# Altium PCB 电流测试工装板.PcbDoc (part 2 of 2)
Units mil, origin at the board's own origin, x right, y up, seen from the top; angles counter-clockwise.
Board outline 3885 x 2755 mil, 2 copper layers (Top Layer, Bottom Layer); 111 components, 106 nets, 455 pads, 494 vias.
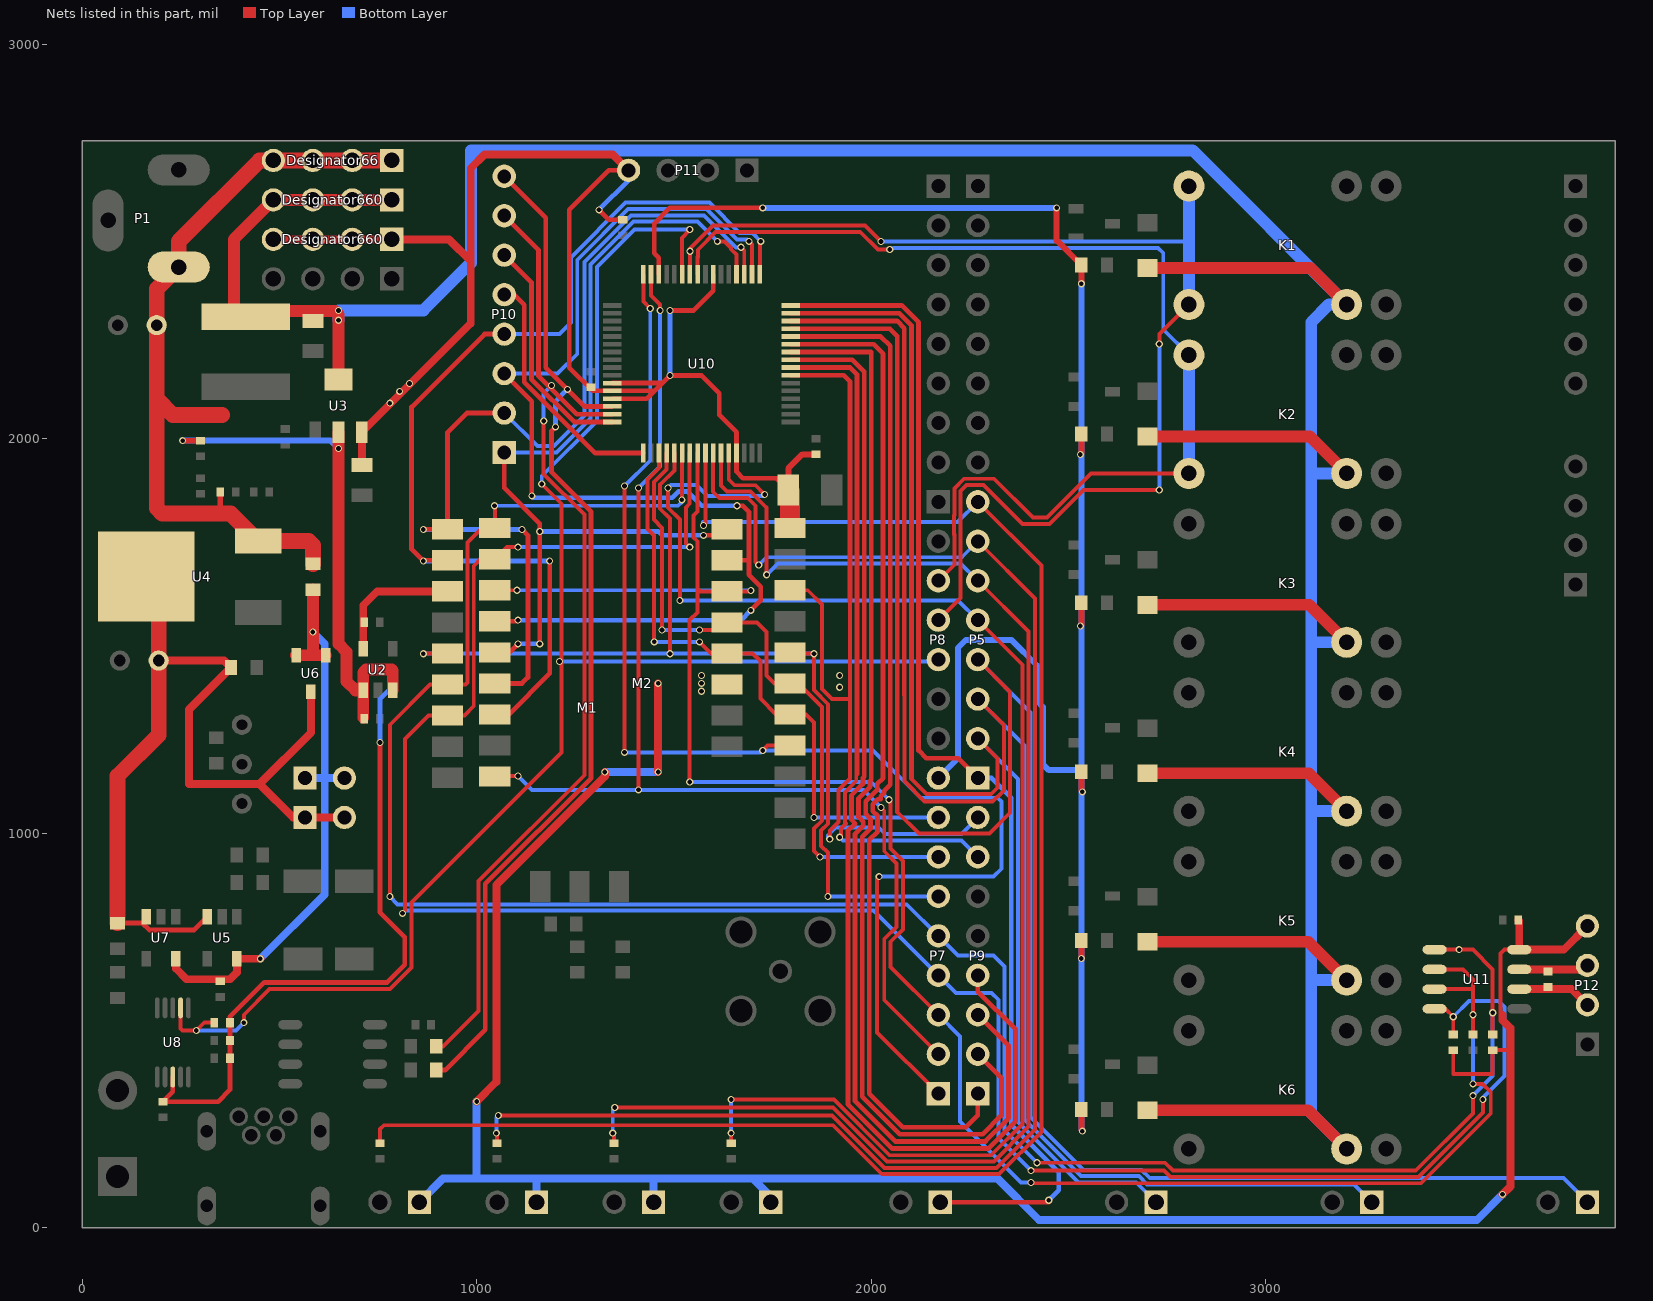
[diagram p2: the nets of this part, all layers, seen from the top]

## Via types
v1: diameter 18, hole 12, Top Layer to Bottom Layer, tented both sides, 494 vias

## Nets (pads, with @x,y where several pads share a name; then routed paths per layer and width w, separated by ;. In a path a pad name is that pad's centre, name@x,y a point inside that pad or via, vN(x,y) a via of type N, cw(c..) or ccw(c..) an arc to the next point about the centre after c; other vN are vias at no path point) (continued)
PC7: P8.8 R1.1 R6.1 R7.1 R12.1 R15.1 R16.1 U10.62 | length 4749.5
  Top Layer w12: U10.62@1461.73,2416.38 1461.73,2458.27 1450,2470 1450,2545 1490,2585 v1(1725,2585)
  Top Layer w15: v1(2470,2585) 2470,2502.52 R1.1@2532.52,2440 v1(2532.52,2392.52) ; v1(2530,1525) 2532.52,1527.52 R7.1@2532.52,1584 ; v1(2530,1960) 2532.52,1962.52 R6.1@2532.52,2012 ; R16.1@2532.52,300 2532.52,247.48 v1(2535,245) ; v1(2532.52,682.48) R15.1@2532.52,728 ; R12.1@2532.52,1156 2532.52,1107.48 v1(2535,1105)
  Bottom Layer w15: v1(1725,2585) v1(2470,2585) ; P8.8@2170,1140 2220,1190 2220,1470 2240,1490 2355,1490 2420,1425 2420,1335 2435,1320 2435,1175 2450,1160 2532.52,1160 ; v1(2532.52,2392.52) 2532.52,1160 ; v1(2535,245) 2532.52,247.48 v1(2532.52,682.48) 2532.52,1160
PD0: P5.8 R20.2 U10.25 | length 4386.9
  Top Layer w10: R20.2@755,214.68 755,250 765,260 1902.62,260 2026.62,136 2323.84,136 2431,243.16 2431,1679 P5.8@2270,1840 ; v1(1575,1780) 1579.84,1784.84 U10.25@1579.84,1963.62
  Bottom Layer w10: v1(1575,1780) 1575,1788 1574,1789 2219,1789 P5.8@2270,1840
PD1: P5.7 R21.2 U10.26 | length 4032.4
  Top Layer w10: v1(1050,240) 1051.67,238.33 R21.2@1051.67,214.68 ; v1(1055,285) 1900.25,285 2033.25,152 2317.21,152 2415,249.79 2415,1595 P5.7@2270,1740 ; U10.26@1599.53,1963.62 1599.53,1865.47 1615,1850 1687,1850 1707,1830 1707,1688 v1(1715,1680)
  Bottom Layer w10: v1(1050,240) 1050,280 v1(1055,285) ; v1(1715,1680) 1734.47,1699.47 2229.47,1699.47 P5.7@2270,1740
PD2: P5.6 R25.2 U10.27 | length 3632.6
  Top Layer w10: v1(1345,240) 1345.67,240.67 1348.33,240.67 R25.2@1348.33,214.68 ; v1(1350,305) 1902.88,305 2039.88,168 2310.58,168 2399,256.42 2399,1511 P5.6@2270,1640 ; U10.27@1619.21,1963.62 1619.21,1880.79 1634,1866 1694,1866 1735,1825 v1(1735,1655)
  Bottom Layer w10: v1(1345,240) 1345,300 v1(1350,305) ; v1(1735,1655) 1763.47,1683.47 2226.53,1683.47 P5.6@2270,1640
PD3: P5.5 R26.2 U10.28 | length 3779.9
  Top Layer w10: v1(1485,1875) 1485,1825 1515,1795 v1(1515,1590) ; U10.28@1638.9,1963.62 1638.9,1896.1 1653,1882 1706.28,1882 v1(1730,1858.28) ; R26.2@1645,214.68 1645,244 v1(1645,240) ; v1(1645,325) 1905.5,325 2046.5,184 2303.95,184 2383,263.05 2383,1427 P5.5@2270,1540
  Bottom Layer w10: v1(1485,1875) 1493,1883 1557,1883 1585,1855 1726.72,1855 v1(1730,1858.28) ; v1(1515,1590) 2220,1590 P5.5@2270,1540 ; v1(1645,240) v1(1645,325)
PD4: K7.1 P5.4 U10.45 | length 4950.5
  Top Layer w10: 2066,1054 2120.53,999.47 2299.47,999.47 2352,1052 2352,1358 P5.4@2270,1440
  Top Layer w12: U10.45@1796.38,2278.58 2047.42,2278.58 2066,2260 2066,1054
  Bottom Layer w10: P5.4@2270,1440 2404,1306 2404,281.25 2538.25,147 2684.92,147 2705.92,126 3754,126 K7.1@3815,65
PD5: K8.1 P5.3 U10.46 | length 4068.3
  Top Layer w10: 2084,1350 2084,1131.96 2135.43,1080.53 2307.77,1080.53 2336,1108.76 2336,1274 P5.3@2270,1340
  Top Layer w12: U10.46@1796.38,2298.27 2065.82,2298.27 2084,2280.09 2084,1350
  Bottom Layer w10: P5.3@2270,1340 2388,1222 2388,274.63 2531.63,131 2678.29,131 2699.29,110 3223.33,110 K8.1@3268.33,65
PD6: K9.1 P5.2 U10.47 | length 3301.6
  Top Layer w10: 2102,1138 2140.53,1099.47 2304.08,1099.47 2320,1115.39 2320,1190 P5.2@2270,1240
  Top Layer w12: U10.47@1796.38,2317.95 2071.59,2317.95 2102,2287.54 2102,1138
  Bottom Layer w10: P5.2@2270,1240 2372,1138 2372,268 2525,115 2671.67,115 K9.1@2721.67,65
PD7: K10.1 P5.1 U10.48 | length 3071
  Top Layer w12: U10.48@1796.38,2337.64 2077.36,2337.64 2120,2295 2120,1210 2140,1190 2220,1190 P5.1@2270,1140 ; K10.1@2175,65 2450,65 v1(2450,70)
  Bottom Layer w12: P5.1@2270,1140 2305,1140 2355,1090 2355,260.96 2475,140.96 2475,95 v1(2450,70)
PE0: M1.16 M2.14 P7.8 U10.19 | length 1598.7
  Top Layer w10: v1(1450,1485) 1450,1754.12 1433,1771.12 1433,1896.54 1461.73,1925.27 U10.19@1461.73,1963.62 ; v1(1565,1485) 1594.33,1455.67 M1.16@1635,1455.67 1699.33,1455.67 1719,1436 1719,1341 1759.05,1300.95 M2.14@1794.02,1300.95 1835,1300.95 1855,1280.95 v1(1855,1040)
  Bottom Layer w10: v1(1450,1485) v1(1565,1485) ; v1(1855,1040) P7.8@2170,1040
PE1: M1.17 M2.15 P7.7 U10.20 | length 1731.5
  Top Layer w10: v1(1470,1515) 1470,1773.75 1449,1794.75 1449,1889.91 1481.42,1922.33 U10.20@1481.42,1963.62 ; v1(1565,1515) 1615.59,1515 M1.17@1635,1534.41 1710.59,1534.41 1735,1510 1735,1400 1755.31,1379.69 M2.15@1794.02,1379.69 1815.31,1379.69 1875,1320 1875,1031.72 1855,1011.72 1855,955 v1(1870,940)
  Bottom Layer w10: v1(1470,1515) v1(1565,1515) ; v1(1870,940) P7.7@2170,940
PE2: M1.5 M2.16 P7.6 U10.21 | length 2572.4
  Top Layer w10: v1(865,1455) 865.67,1455.67 M1.5@926.34,1455.67 ; v1(1490,1455) 1490,1797.37 1465,1822.37 1465,1883.28 1501.1,1919.39 U10.21@1501.1,1963.62 ; M2.16@1794.02,1458.43 1797.44,1455 v1(1855,1455) 1855,1362.63 1891,1326.63 1891,1025.09 1872.96,1007.04 1872.96,968.04 1890,951 v1(1890,840)
  Bottom Layer w10: v1(865,1455) v1(1490,1455) v1(1855,1455) ; v1(1890,840) P7.6@2170,840
PE3: M1.6 M2.1 P7.5 R30.1 U10.22 U11.1 | length 5720.5
  Top Layer w10: v1(780,840) 780,1275 881.93,1376.93 M1.6@926.34,1376.93 971.93,1376.93 976.71,1381.71 976.71,1736.71 1013.39,1773.39 M2.1@1045.98,1773.39 1045.98,1829.02 v1(1045,1830) ; v1(1520,1845) 1520,1962.83 U10.22@1520.79,1963.62 ; v1(2420,165) 2745,165 2765,145 3380,145 3525,290 v1(3525,335) ; U11.1@3427.72,705 v1(3490,705) 3525,705 3575,655 v1(3575,545) R30.1@3575,489.68
  Bottom Layer w10: v1(780,840) 800,820 2090,820 P7.5@2170,740 2220,690 2310,690 2338,662 2338,247 v1(2420,165) ; v1(1045,1830) 1510,1830 1520,1840 v1(1520,1845) ; v1(3525,335) 3575,385 v1(3575,545)
PE4: M1.7 M2.2 P7.4 R32.1 U10.23 U11.4 | length 5658.4
  Top Layer w10: v1(812,797) 819,804 819,1239 878.19,1298.19 M1.7@926.34,1298.19 968.8,1298.19 992.71,1322.09 992.71,1677.71 1009.65,1694.65 M2.2@1045.98,1694.65 1076.34,1725 v1(1105,1725) ; v1(1540,1725) 1531,1734 1531,1826 1540,1835 U10.23@1540,1963.15 ; v1(2405,145) 2742.37,145 2758.37,129 3386.63,129 3550,292.37 v1(3550,325) ; U11.4@3427.72,555 3455,555 v1(3475,535) R32.1@3475,489.68
  Bottom Layer w10: v1(812,797) 819,804 2006,804 P7.4@2170,640 2215,595 2305,595 2322,578 2322,228 v1(2405,145) ; v1(1105,1725) v1(1540,1725) ; v1(3475,535) 3515,575 3590,575 3605,560 3605,385 3550,330 v1(3550,325)
PE5: M1.18 M2.3 P7.3 R31.2 U10.24 U11.2 U11.3 | length 5188.5
  Top Layer w10: M2.3@1045.98,1615.91 v1(1102.24,1615.91) ; v1(1540,1130) 1540,1540 1560,1560 1560,1620 ; U10.24@1560.16,1963.62 1560.16,1815.16 1550,1805 1550,1750 1560,1740 1560,1620 ; v1(1695,1615) 1693.15,1613.15 M1.18@1635,1613.15 1566.85,1613.15 1560,1620 ; v1(2045,1085) 2049,1081 2049,961 2080,930 2080,756 2049,725 2049,661 P7.3@2170,540 ; v1(2405,115) 2407,113 3393.25,113 3570,289.75 3570,343.81 3548.81,365 v1(3525,365) ; U11.3@3427.72,605 3525,605 ; U11.2@3427.72,655 3500,655 3525,630 3525,605 ; R31.2@3525,489.68 v1(3525,540) 3525,605
  Bottom Layer w10: v1(1102.24,1615.91) 1694.09,1615.91 v1(1695,1615) ; v1(1540,1130) 2000,1130 v1(2045,1085) ; P7.3@2170,540 2225,485 2225,270 2380,115 v1(2405,115) ; v1(3525,365) v1(3525,540)
PE6: M2.9 P7.2 U10.63 | length 3062.2
  Top Layer w10: M2.9@1045.98,1143.47 1047.52,1145 v1(1105,1145) ; v1(1410,1110) v1(1410,1875) ; U10.63@1442.05,2416.38 1442.05,2362.95 1465,2340 v1(1465,2325) ; v1(2025,1065) 2033,1057 2033,954.37 2064,923.37 2064,762.63 2033,731.63 2033,577 P7.2@2170,440
  Bottom Layer w10: v1(1105,1145) 1140,1110 v1(1410,1110) 1980,1110 v1(2025,1065) ; v1(1410,1875) 1465,1930 v1(1465,2325)
PE7: M2.13 P7.1 U10.64 | length 3433.1
  Top Layer w10: v1(1375,1205) v1(1375,1880) ; U10.64@1422.36,2416.38 1422.36,2347.64 v1(1440,2330) ; v1(1725,1210) 1737.21,1222.21 M2.13@1794.02,1222.21 ; v1@2015,890 2015,495 P7.1@2170,340
  Bottom Layer w10: v1(1375,1205) 1720,1205 v1(1725,1210) 2005,1210 2125,1090 2320,1090 2330,1080 2330,910 2310,890 v1(2020,890) ; v1(1375,1880) 1440,1945 v1(1440,2330)
PF0: M2.18 P9.8 U10.39 | length 2153.6
  Top Layer w10: M2.18@1794.02,1615.91 1839.09,1615.91 1875,1580 1875,1365.25 1900.25,1340 1946.02,1340 ; v1(1895,985) 1895,1006.46 1917,1028.46 1917,1109.73 1946.02,1138.75 1946.02,1340 ; 1946.02,1587.02 1946.02,1340
  Top Layer w12: U10.39@1796.38,2160.47 1930.54,2160.47 1946.02,2145 1946.02,1587.02
  Bottom Layer w10: v1(1895,985) 1890,990 1890,995 1910,1015 2019,1015 2035.47,998.53 2228.53,998.53 P9.8@2270,1040
PF1: P9.7 U10.40 | length 1737.3
  Top Layer w10: v1@1923,990 1923,1011.83 1935.53,1024.36 1933,1026.89 1933,1103.11 1962.02,1132.12 1962.02,1148.38 1964.02,1150.38
  Top Layer w12: U10.40@1796.38,2180.16 1946.4,2180.16 1964.02,2162.54 1964.02,1150.38
  Bottom Layer w10: v1(1920,990) 1928.47,981.53 2228.47,981.53 P9.7@2270,940
PF4: P9.4 U10.41 | length 2989.3
  Top Layer w12: U10.41@1796.38,2199.84 1952.17,2199.84 1982.02,2170 1982.02,1142.93 1979.02,1139.93 1979.02,1125.08 1950,1096.07 1950,1033.93 1959.57,1024.36 1941,1005.79 1941,313.54 2053.54,201 2296.91,201 2366,270.09 2366,502.73 2270,598.73 P9.4@2270,640
PF5: P9.3 U10.42 | length 2879.4
  Top Layer w12: U10.42@1796.38,2219.53 2000.02,2219.53 2000.02,1135.47 1997.02,1132.47 1997.02,1117.63 1968,1088.61 1968,1041.39 1980,1029.39 1980,1019.34 1959,998.34 1959,321 2061,219 2289.46,219 2348,277.54 2348,462 P9.3@2270,540
PF6: P9.2 U10.43 | length 2750.3
  Top Layer w12: U10.43@1796.38,2239.21 2005.79,2239.21 2030,2215 2030,1140 2015.02,1125.02 2015.02,1110.17 1986,1081.15 1986,1048.85 1998,1036.85 1998,1011.88 1977,990.88 1977,332.54 2072.54,237 2282,237 2330,285 2330,380 P9.2@2270,440
PF7: P9.1 U10.44 | length 2570.6
  Top Layer w12: U10.44@1796.38,2258.9 2024.1,2258.9 2048,2235 2048,1123 2033.02,1108.02 2033.02,1102.72 2024,1093.7 2024,1086 2016.3,1086 2004,1073.7 2004,1056.3 2016,1044.3 2016,1004.42 1995,983.42 1995,340 2080,255 2240,255 2270,285 P9.1@2270,340
PG2: P10.6 U10.16 | length 592.2
  Top Layer w12: P10.6@1070,2465 1139,2396 1139,2151 1247.64,2042.36 U10.16@1343.62,2042.36
PG3: P10.5 U10.17 | length 633.1
  Top Layer w12: P10.5@1070,2365 1095,2365 1121,2339 1121,2143.54 1300.92,1963.62 U10.17@1422.36,1963.62
RDY: P8.5 R17.1 U8.2 U10.59 | length 4141.9
  Top Layer w10: U8.2@249.69,557.6 249.69,505.31 255,500 v1(289.69,500) 309.69,520 R17.1@335.32,520 ; v1(410,520) 410,540 475,605 780,605 835,660 835,825 1215,1205 1215,1835 v1(1165,1885) ; U10.59@1520.79,2416.38 1520,2416.38 1520,2508.28 1540,2528.28 v1(1540,2530)
  Bottom Layer w10: v1(289.69,500) 390,500 v1(410,520) ; v1(1165,1885) 1165,1905 1305,2045 1305,2435 1400,2530 v1(1540,2530) ; v1(1210,1435) 2165,1435 P8.5@2170,1440
RS485_A: P12.2 R33.2 U11.6 | length 189.3
  Top Layer w20: U11.6@3642.28,605 3775,605 P12.2@3815,565
RS485_B: P12.3 R33.1 U11.7 | length 162.7
  Top Layer w20: U11.7@3642.28,655 P12.3@3805,655
SPI_CS: M1.2 M2.7 P10.4 U10.49 | length 2573.4
  Top Layer w10: U10.49@1717.64,2416.38 1717.64,2497.64 v1(1720,2500)
  Top Layer w12: M1.2@926.34,1691.89 866.89,1691.89 v1(865,1690) 835,1720 835,2080 1020,2265 P10.4@1070,2265 ; M2.7@1045.98,1300.95 1080.95,1300.95 1185,1405 v1(1185,1690)
  Bottom Layer w10: P10.4@1070,2265 1210,2265 1239,2294 1239,2459.51 1377.49,2598 1589.63,2598 1666.63,2521 1699,2521 v1(1720,2500)
  Bottom Layer w12: v1(865,1690) v1(1185,1690)
SPI_MISO: M1.20 M2.5 P10.1 U10.52 | length 2276.8
  Top Layer w10: v1(1610,2500) 1628.28,2500 1645,2483.28 1645,2480 1658.58,2466.42 U10.52@1658.58,2416.38
  Top Layer w12: M2.5@1045.98,1458.43 1083.43,1458.43 v1(1105,1480) ; P10.1@1070,1965 1070,1875 1160,1785 v1(1160,1765) v1(1160,1480) ; v1(1575,1755) 1604.37,1755 1620,1770.63 M1.20@1635,1770.63
  Bottom Layer w10: P10.1@1070,1965 1202.37,1965 1289,2051.63 1289,2441.63 1397.37,2550 1560,2550 v1(1610,2500)
  Bottom Layer w12: v1(1105,1480) v1(1160,1480) ; v1(1160,1765) 1460,1765 1470,1755 v1(1575,1755)
SPI_MOSI: M1.1 M2.6 P10.2 U10.51 | length 2403.9
  Top Layer w10: v1(1670,2485) 1678.27,2476.73 U10.51@1678.27,2416.38
  Top Layer w12: v1(865,1770) 865.63,1770.63 M1.1@926.34,1770.63 926.34,2016.34 975,2065 P10.2@1070,2065 ; M2.6@1045.98,1379.69 1114.69,1379.69 1130,1395 1130,1755 v1(1115,1770)
  Bottom Layer w10: P10.2@1070,2065 1154,1981 1195.75,1981 1273,2058.25 1273,2448.25 1390.75,2566 1576.37,2566 1657.37,2485 v1(1670,2485)
  Bottom Layer w12: v1(865,1770) v1(1115,1770)
SPI_SCK: M1.19 M2.4 P10.3 U10.50 | length 2960.1
  Top Layer w10: v1(1690,2500) 1697.95,2492.05 U10.50@1697.95,2416.38
  Top Layer w12: M2.4@1045.98,1537.17 1102.17,1537.17 v1(1105,1540) ; P10.3@1070,2165 1140,2095 v1(1140,1855) ; M1.19@1635,1691.89 1690,1691.89 ; v1(1660,1830) 1675,1830 1690,1815 1690,1691.89 ; v1(1695,1565) 1720,1590 1720,1625 1690,1655 1690,1691.89
  Bottom Layer w10: P10.3@1070,2165 1205,2165 1255,2215 1255,2452.88 1384.12,2582 1583,2582 1660,2505 1685,2505 v1(1690,2500)
  Bottom Layer w12: v1(1105,1540) 1670,1540 v1(1695,1565) ; v1(1140,1855) 1145,1850 1495.3,1850 1511.3,1866 1535,1866 1571,1830 v1(1660,1830)
USART1_RX: K2.1 P8.3 U10.57 | length 2815.5
  Top Layer w10: U10.57@1560.16,2416.38 1560.16,2460.16 1560.47,2460.47 1560.47,2478.76 1605.72,2524 1972.19,2524 2016.72,2479.47 v1(2047.06,2479.47) ; P8.3@2170,1640 2210.53,1680.53 2210.53,1756.79 2210,1757.31 2210,1805.39 2210.53,1805.92 2210.53,1874 2235,1898.47 2311.53,1898.47 2410,1800 2445,1800 2557,1912 K2.1@2805,1912
  Bottom Layer w10: v1(2047.06,2479.47) 2047.06,2481.41 2054.66,2481.41 2056.72,2483.47 2726.53,2483.47 2740,2470 2740,2277 K2.1@2805,2212
  Bottom Layer w30: K2.1@2805,1912 K2.1@2805,2212
USART1_TX: K1.1 P8.4 U10.58 | length 3104.1
  Top Layer w10: U10.58@1540.47,2416.38 v1(1540.47,2475) 1540.47,2481.38 1599.09,2540 1984.47,2540 v1(2025,2499.47) ; P8.4@2170,1540 2226.53,1596.53 2226.53,1867.37 2241.63,1882.47 2284.84,1882.47 2383.31,1784 2451.63,1784 2537.63,1870 v1(2730,1870) ; v1(2730,2240) 2730,2265 K1.1@2805,2340
  Bottom Layer w10: v1(2025,2499.47) 2800.53,2499.47 ; v1(2730,1870) v1(2730,2240)
  Bottom Layer w30: K1.1@2805,2340 K1.1@2805,2640
USART3_RX: P10.8 R28.2 U10.14 | length 2696.6
  Top Layer w12: R28.2@897.48,400 920,400 1022,502 1022,872 1290,1140 1290,1815 1190,1915 1190,2020 v1(1200,2030) ; P10.8@1070,2665 1175,2560 1175,2180 v1(1230,2125) 1273.27,2081.73 U10.14@1343.62,2081.73
  Bottom Layer w12: v1(1200,2030) 1200,2095 v1(1230,2125)
USART3_TX: P10.7 R27.2 U10.15 | length 2567.8
  Top Layer w10: R27.2@897.48,460 915,460 1005,550 1005,879.04 1273,1147.04 1273,1807.96 1170,1910.96 v1(1170,2045)
  Top Layer w12: P10.7@1070,2565 1157,2478 1157,2158.46 v1@1185,2130.46 ; v1(1190,2135) 1185.46,2130.46 v1@1185,2130.46 ; U10.15@1343.62,2062.05 1253.41,2062.05 v1@1185,2130.46
  Bottom Layer w10: v1(1170,2045) 1170,2115 v1(1190,2135)
VCC+2V5: C3.2 M1.3 U2.5 | length 337.9
  Top Layer w20: U2.5@712.6,1468.15 712.6,1577.6 748.15,1613.15 M1.3@926.34,1613.15
VCC+3V3: C6.2 C9.1 C51.1 C52.1 C54.1 C55.1 D9.1 D10.1 D11.1 D12.1 Designator660.1@785,2505 Designator660.2@685,2505 Designator660.3@585,2505 Designator660.4@485,2505 M1.15 M2.20 P11.4 P12.4 R17.2 R18.2 R19.2 R29.2 R30.2 R32.2 U3.3 U8.8 U10.11 U10.12 U10.13 U10.29 U10.55 U11.8 | length 11716.1
  Top Layer w10: R32.2@3475,450.32 3475,390 3575,390 R30.2@3575,450.32 3615.31,450.32 3620,455 ; 3595,539.25 3595,695 3605,705 U11.8@3642.28,705
  Top Layer w12: U8.8@230,382.4 230,344.68 C51.1@205,319.68 344.68,319.68 374.68,349.68 R18.2@374.68,430 R19.2@374.68,475 R17.2@374.68,520 374.68,534.68 462,622 772.96,622 818,667.04 818,737 755,800 v1(755,1230) ; v1(1310,2580) 1335.31,2554.69 R29.2@1370,2554.69 ; U10.13@1343.62,2101.42 1431.42,2101.42 1451.1,2121.1 ; U10.11@1343.62,2140.79 1470.79,2140.79 ; P11.4@1385,2680 1335,2680 1235,2580 1235,2180 1293.9,2121.1 U10.12@1343.62,2121.1 1451.1,2121.1 ; v1(1490,2325) 1550,2325 1599.53,2374.53 U10.55@1599.53,2416.38 ; C9.1@1789.88,1870 1759.88,1900 1675,1900 1658.58,1916.42 U10.29@1658.58,1963.62 1658.58,2016.42 1615,2060 1615,2115 1570,2160 v1(1490,2160) 1470.79,2140.79 ; 1451.1,2121.1 1470.79,2140.79
  Top Layer w15: C9.1@1789.88,1870 1789.88,1924.88 1825.31,1960.31 C54.1@1860,1960.31
  Top Layer w20: Designator660.4@485,2505 Designator660.3@585,2505 Designator660.2@685,2505 Designator660.1@785,2505 930,2505 985,2450 ; C6.2@709.06,1934.33 U3.3@709.06,2016.26 985,2292.2 985,2450 ; v1(1000,320) 1050,370 1050,868.89 1325,1143.89 v1(1325,1155) ; P11.4@1385,2680 1345,2720 1020,2720 985,2685 985,2450 ; v1(1460,1155) v1(1460,1380) ; v1(3600,85) 3620,105 3620,455 3620,506 3600,526 3600,539.25 ; C55.1@3639.69,780 3642.28,777.4 U11.8@3642.28,705 3755,705 P12.4@3815,765
  Top Layer w50: C9.1@1789.88,1870 1794.02,1865.87 M2.20@1794.02,1773.39
  Bottom Layer w12: v1(755,1230) 755,1340 770,1355 785,1370 ; v1(1310,2580) 1385,2655 P11.4@1385,2680 ; v1(1490,2160) v1(1490,2325)
  Bottom Layer w20: D9.1@855,65 915,125 1000,125 ; v1(1000,320) 1000,125 ; D10.1@1151.67,65 1151.67,123.33 1150,125 ; v1(1325,1155) v1(1460,1155) ; D11.1@1445,68.33 D11.1@1448.33,65 1448.33,123.33 1450,125 ; D12.1@1745,65 1750,70 1755,70 1700,125 ; v1(3600,85) 3534.47,19.47 2425.53,19.47 2320,125 1700,125 ; 1000,125 1150,125 ; 1150,125 1450,125 ; 1450,125 1700,125
  other v1: 1570,1360 1920,1370 1570,1380 1570,1400 1920,1400 780,2090 805,2120 830,2140
VCC+3V9: C2.2 C5.2 D1.2 D2.2 D3.2 D5.2 D7.2 D8.2 Designator660.1@785,2605 Designator660.2@685,2605 Designator660.3@585,2605 Designator660.4@485,2605 K1.4 K2.4 K3.4 K4.4 K5.4 K6.4 L1.2 R3.2 U2.1 U2.3 U3.2 | length 11370.1
  Top Layer w15: v1(255,1995) 255.32,1994.69 R3.2@300,1994.69
  Top Layer w30: L1.2@415,2308.58 385,2338.58 385,2505 Designator660.4@485,2605 Designator660.3@585,2605 Designator660.2@685,2605 Designator660.1@785,2605 ; L1.2@415,2323.58 641.42,2323.58 650,2315 v1(650,2300) U3.2@650,2150.12 ; U3.2@650,2016.26 v1(650,1975) 650,1480 670,1460 670,1385 693.15,1361.85 U2.1@712.6,1361.85 ; C2.2@712.6,1292.72 U2.1@712.6,1361.85 ; U2.3@787.4,1361.85 787.4,1412.6 785,1415 720,1415 712.6,1407.6 U2.1@712.6,1361.85 ; D8.2@2700,297.91 3107.09,297.91 K6.4@3205,200 ; D7.2@2700,724.91 3108.09,724.91 K5.4@3205,628 ; D5.2@2700,1151.91 3109.09,1151.91 K4.4@3205,1056 ; D3.2@2700,1578.91 3110.09,1578.91 K3.4@3205,1484 ; D2.2@2700,2005.91 3111.09,2005.91 K2.4@3205,1912 ; D1.2@2700,2432.91 3112.09,2432.91 K1.4@3205,2340
  Bottom Layer w15: v1(255,1995) 630,1995 v1(650,1975)
  Bottom Layer w30: v1(650,2300) v1(650,2325) 865,2325 985.53,2445.53 985.53,2730.53 2814.47,2730.53 K1.4@3205,2340 3160,2340 3115,2295 3115,290 K6.4@3205,200 ; 3117,628 K5.4@3205,628 ; 3118,1912 K2.4@3205,1912 ; 3119,1056 K4.4@3205,1056 ; 3119,1484 K3.4@3205,1484
VCC_ADJ: C7.1 Designator680.1@565,1040 Designator680.2@665,1040 R9.2 R11.2 U4.4 U5.3 U6.3 U7.3 | length 2429.2
  Top Layer w12: R11.2@90,772.48 152.52,772.48 170,755 284.45,755 U5.3@317.6,788.15
  Top Layer w20: C7.1@194.21,1437.72 359.8,1437.72 R9.2@377.52,1420 270.98,1313.46 270.98,1125 450,1125 ; U6.3@580,1358.74 580,1255 450,1125 ; Designator680.2@665,1040 Designator680.1@565,1040 535,1040 450,1125
  Top Layer w40: R11.2@90,772.48 90,1145 194.21,1249.21 C7.1@194.21,1437.72 194.21,1619.13 U4.4@162.95,1650.39
VCC_ADJ+2V5: C50.1 Designator680.1@565,1140 Designator680.2@665,1140 R10.1 U5.5 U6.1 U6.2 U7.5 | length 1541
  Top Layer w20: U7.5@237.4,681.85 237.4,657.6 265,630 375,630 392.4,647.4 U5.5@392.4,681.85 v1(451.85,681.85)
  Top Layer w30: U6.2@542.6,1451.26 585,1451.26 ; R10.1@585,1617.52 v1(585,1510) 585,1451.26 ; U6.1@617.4,1451.26 585,1451.26
  Bottom Layer w20: v1(451.85,681.85) 615,845 615,1140 ; Designator680.1@565,1140 615,1140 ; v1(585,1510) 615,1480 615,1140 ; Designator680.2@665,1140 615,1140
VCC_IN: C4.1 Designator66.1 Designator66.2 Designator66.3 Designator66.4 P1.1 R2.2 R10.2 U4.3 | length 2043.5
  Top Layer w15: 350.32,1810.32 R2.2@350.32,1865
  Top Layer w40: 355,2060 230,2060 189.21,2100.79 ; R10.2@585,1682.48 585,1730 574.45,1740.55 U4.3@446.42,1740.55 376.97,1810 203.43,1810 189.21,1824.21 189.21,2100.79 ; Designator66.1@785,2705 Designator66.2@685,2705 Designator66.3@585,2705 Designator66.4@485,2705 450,2705 245,2500 P1.1@245,2435 189.21,2379.21 C4.1@189.21,2287.72 189.21,2100.79
pads on no net: J1.4 K1.2 K2.2 K3.2 K4.2 K5.2 K6.2 M1.9 M1.13 M2.17 R14.3 U2.4 U9.4 U10.18

## Polygon pours and split planes (outlines as drawn)
GND on Top Layer "Top Layer-No Net" (solid, remove dead copper, pour order 2): 15,2730 15,15 125,15 3865,15 3865,2730
GND on Bottom Layer "Top Layer-No Net" (solid, remove dead copper, pour order 1): 15,2730 15,15 125,15 3865,15 3865,2730

## Other copper
Top Layer:
  rectangle net VCC+3V3: 1825,1750 1910,1800
  rectangle net VCC+3V3: 1905,1355 1930,1800
  rectangle net VCC+3V3: 1555,1350 1630,1405
  region net NetC1_1: 340.19,2129.81 395,2075 415,2075 470,2130 470,2135
Bottom Layer:
  rectangle net VCC+3V3: 770,1355 840,2150
  rectangle net VCC+3V3: 805,1355 1940,1410

## Silkscreen, mask and mechanical layers (free items; w line width, h text height)
Top Overlay:
  text "Vin" at 845,2660 h120
  text "PG0" at 1140,2645 h75
  text "PA0" at 1985,2615 h75
  text "PB0" at 2335,2615 h75
  text "TXD" at 3560,2610 h85
  text "3V9" at 840,2560 h110
  text "PG1" at 1140,2544.29 h75
  text "3V3" at 1450,2530 h50 r90
  text "PA1" at 1985,2514.37 h75
  text "PB1" at 2335,2514.37 h75
  text "GND" at 1575,2510 h50 r90
  text "RXD" at 3555,2510 h85
  text "NRST" at 1655,2495 h50 r90
  text "SWIM" at 1505,2490 h50 r90
  text "3V3" at 840,2460 h110
  text "PG2" at 1140,2443.57 h75
  text "PA2" at 1985,2414.63 h75
  text "PB2" at 2335,2414.63 h75
  text "PB0" at 3565,2415 h85
  text "GND" at 840,2365 h95
  text "PG3" at 1140,2342.86 h75
  text "PB1" at 3570,2325 h85
  text "PA3" at 1985,2315.77 h75
  text "PB3" at 2335,2315.77 h75
  text "PG4" at 1140,2242.14 h75
  text "PA4" at 1985,2215.14 h75
  text "PB4" at 2335,2215.14 h75
  text "PB2" at 3570,2215 h85
  text "PG5" at 1140,2141.43 h75
  text "PA5" at 1985,2116.28 h75
  text "PB5" at 2335,2116.28 h75
  text "PB3" at 3570,2110 h85
  text "PG6" at 1140,2040.71 h75
  text "PA6" at 1985,2016.53 h75
  text "PB6" at 2335,2016.53 h75
  text "PG7" at 1140,1940 h75
  text "PA7" at 1985,1915.91 h75
  text "PB7" at 2335,1915.91 h75
  text "GND" at 3560,1910 h85
  text "PC0" at 1985,1817.05 h75
  text "PD0" at 2335,1817.05 h75
  text "GND" at 3565,1805 h85
  text "PC1" at 1985,1717.3 h75
  text "PD1" at 2335,1717.3 h75
  text "GND" at 3565,1705 h85
  text "PC2" at 1985,1617.56 h75
  text "PD2" at 2335,1617.56 h75
  text "GND" at 3560,1595 h85
  text "PD3" at 2335,1517.81 h75
  text "PC3" at 1985,1516.93 h75
  text "PC4" at 1985,1418.07 h75
  text "PD4" at 2335,1418.07 h75
  text "PC5" at 1985,1318.32 h75
  text "PD5" at 2335,1318.32 h75
  text "3V3" at 3725,1280 h85
  text "PC6" at 1985,1218.58 h75
  text "PD6" at 2335,1218.58 h75
  text "485-B" at 3660,1180 h85
  text "PC7" at 1985,1118.84 h75
  text "PD7" at 2335,1118.84 h75
  text "485-A" at 3650,1080 h85
  text "Vadj+" at 715,1060 h85
  text "PE0" at 1985,1019.09 h75
  text "PF0" at 2335,1019.09 h75
  text "GND" at 3695,995 h85
  text "Vadj" at 720,965 h85
  text "PE1" at 1985,918.46 h75
  text "PF1" at 2335,918.46 h75
  text "PE2" at 1985,819.6 h75
  text "GND" at 2335,819.6 h75
  text "PE3" at 1985,719.86 h75
  text "GND" at 2335,719.86 h75
  text "PE4" at 1985,619.23 h75
  text "PF4" at 2335,619.23 h75
  text "单板测试工装板" at 1070,525 h85
  text "PE5" at 1985,520.37 h75
  text "PF5" at 2335,520.37 h75
  text "V1.00" at 1500,475 h40
  text "SMA" at 1690,440 h85
  text "PE6" at 1985,420.63 h75
  text "PF6" at 2335,420.63 h75
  text "PE7" at 1985,320 h75
  text "PF7" at 2335,320 h75
  text "Vout+" at 50,215 h75
  text "Vout-" at 60,20 h75
Mechanical 1:
  the board outline again, w5.91
Drill Drawing:
  circle w10: c-159.38,3897.27 r33.33
  lines w10: -192.71,3563.94 -126.04,3563.94 -126.04,3630.61 -192.71,3630.61 -192.71,3563.94 ; -192.71,3747.27 -159.38,3713.94 -126.04,3747.27 -159.38,3780.61 -192.71,3747.27 ; -192.71,4013.94 -126.04,4013.94 -126.04,4080.61 -192.71,4080.61 -192.71,4013.94 ; -192.71,4163.94 -159.38,4180.61 -126.04,4163.94 -142.71,4197.27 -126.04,4230.61 -159.38,4213.94 -192.71,4230.61 -176.04,4197.27 -192.71,4163.94 ; -192.71,4330.61 -176.04,4330.61 -176.04,4313.94 -142.71,4313.94 -142.71,4330.61 -126.04,4330.61 -126.04,4363.94 -142.71,4363.94 -142.71,4380.61 -176.04,4380.61 -176.04,4363.94 -192.71,4363.94 -192.71,4330.61 ; -192.71,4463.94 -192.71,4480.61 -176.04,4497.27 -192.71,4513.94 -192.71,4530.61 -176.04,4530.61 -159.38,4513.94 -142.71,4530.61 -126.04,4530.61 -126.04,4513.94 -142.71,4497.27 -126.04,4480.61 -126.04,4463.94 -142.71,4463.94 -159.38,4480.61 -176.04,4463.94 -192.71,4463.94 ; -192.71,4630.61 -176.04,4630.61 -159.38,4613.94 -142.71,4630.61 -126.04,4630.61 -142.71,4647.27 -126.04,4663.94 -142.71,4663.94 -159.38,4680.61 -176.04,4663.94 -192.71,4663.94 -176.04,4647.27 -192.71,4630.61 ; -192.71,4830.61 -126.04,4830.61 -159.38,4763.94 -192.71,4830.61 ; -179.38,3577.27 -139.38,3577.27 -139.38,3617.27 -179.38,3617.27 -179.38,3577.27
  lines w15: -252.5,3518.94 13385.65,3518.94 ; -252.5,4868.94 13385.65,4868.94 ; 298.38,3368.94 298.38,5018.94 ; 898.22,3368.94 898.22,5018.94 ; 1997.9,3368.94 1997.9,5018.94 ; 2503.77,3368.94 2503.77,5018.94 ; 3237.57,3368.94 3237.57,5018.94 ; 4737.13,3368.94 4737.13,5018.94 ; 5326.97,3368.94 5326.97,5018.94 ; 6072.77,3368.94 6072.77,5018.94 ; 7342.4,3368.94 7342.4,5018.94 ; 8196.16,3368.94 8196.16,5018.94 ; 9529.77,3368.94 9529.77,5018.94 ; 10863.38,3368.94 10863.38,5018.94 ; 11983.05,3368.94 11983.05,5018.94 ; -252.5,3368.94 13385.65,3368.94 13385.65,5018.94 -252.5,5018.94 -252.5,3368.94
  text "Symbol" at -162.5,4913.94 h72
  text "Count" at 343.38,4913.94 h72
  text "Hole Size" at 943.22,4913.94 h72
  text "Plated" at 2042.9,4913.94 h72
  text "Hole Type" at 2548.77,4913.94 h72
  text "Drill Layer Pair" at 3282.57,4913.94 h72
  text "Via/Pad" at 4782.13,4913.94 h72
  text "Pad Shape" at 5371.97,4913.94 h72
  text "Template" at 6117.77,4913.94 h72
  text "Description" at 7387.4,4913.94 h72
  text "Hole Tolerance (+)" at 8241.16,4913.94 h72
  text "Hole Tolerance (-)" at 9574.77,4913.94 h72
  text "Hole Length" at 10908.38,4913.94 h72
  text "Routed Path Length" at 12028.05,4913.94 h72
  text "3" at 343.38,4763.94 h60
  text "27.56mil (0.700mm)" at 943.22,4763.94 h60
  text "PTH" at 2042.9,4763.94 h60
  text "Round" at 2548.77,4763.94 h60
  text "Top Layer - Bottom Layer" at 3282.57,4763.94 h60
  text "Pad" at 4782.13,4763.94 h60
  text "Rounded" at 5371.97,4763.94 h60
  text "c130h70" at 6117.77,4763.94 h60
  text "-" at 10908.38,4763.94 h60
  text "-" at 12028.05,4763.94 h60
  text "3" at 343.38,4613.94 h60
  text "39.37mil (1.000mm)" at 943.22,4613.94 h60
  text "PTH" at 2042.9,4613.94 h60
  text "Slot" at 2548.77,4613.94 h60
  text "Top Layer - Bottom Layer" at 3282.57,4613.94 h60
  text "Pad" at 4782.13,4613.94 h60
  text "Rounded" at 5371.97,4613.94 h60
  text "r400_200h100_300r100" at 6117.77,4613.94 h60
  text "118.11mil (3.000mm)" at 10908.38,4613.94 h60
  text "78.74mil (2.000mm)" at 12028.05,4613.94 h60
  text "4" at 343.38,4463.94 h60
  text "29.53mil (0.750mm)" at 943.22,4463.94 h60
  text "PTH" at 2042.9,4463.94 h60
  text "Round" at 2548.77,4463.94 h60
  text "Top Layer - Bottom Layer" at 3282.57,4463.94 h60
  text "Pad" at 4782.13,4463.94 h60
  text "Rounded" at 5371.97,4463.94 h60
  text "c130h75" at 6117.77,4463.94 h60
  text "-" at 10908.38,4463.94 h60
  text "-" at 12028.05,4463.94 h60
  text "4" at 343.38,4313.94 h60
  text "31.50mil (0.800mm)" at 943.22,4313.94 h60
  text "PTH" at 2042.9,4313.94 h60
  text "Slot" at 2548.77,4313.94 h60
  text "Top Layer - Bottom Layer" at 3282.57,4313.94 h60
  text "Pad" at 4782.13,4313.94 h60
  text "Rounded" at 5371.97,4313.94 h60
  text "r250_120h80_200r100" at 6117.77,4313.94 h60
  text "78.74mil (2.000mm)" at 10908.38,4313.94 h60
  text "47.24mil (1.200mm)" at 12028.05,4313.94 h60
  text "5" at 343.38,4163.94 h60
  text "31.50mil (0.800mm)" at 943.22,4163.94 h60
  text "PTH" at 2042.9,4163.94 h60
  text "Round" at 2548.77,4163.94 h60
  text "Top Layer - Bottom Layer" at 3282.57,4163.94 h60
  text "Pad" at 4782.13,4163.94 h60
  text "Rounded" at 5371.97,4163.94 h60
  text "c120h80" at 6117.77,4163.94 h60
  text "-" at 10908.38,4163.94 h60
  text "-" at 12028.05,4163.94 h60
  text "6" at 343.38,4013.94 h60
  text "59.06mil (1.500mm)" at 943.22,4013.94 h60
  text "PTH" at 2042.9,4013.94 h60
  text "Round" at 2548.77,4013.94 h60
  text "Top Layer - Bottom Layer" at 3282.57,4013.94 h60
  text "Pad" at 4782.13,4013.94 h60
  text "(Mixed)" at 5371.97,4013.94 h60
  text "(Mixed)" at 6117.77,4013.94 h60
  text "-" at 10908.38,4013.94 h60
  text "-" at 12028.05,4013.94 h60
  text "69" at 343.38,3863.94 h60
  text "39.37mil (1.000mm)" at 943.22,3863.94 h60
  text "PTH" at 2042.9,3863.94 h60
  text "Round" at 2548.77,3863.94 h60
  text "Top Layer - Bottom Layer" at 3282.57,3863.94 h60
  text "Pad" at 4782.13,3863.94 h60
  text "(Mixed)" at 5371.97,3863.94 h60
  text "(Mixed)" at 6117.77,3863.94 h60
  text "-" at 10908.38,3863.94 h60
  text "-" at 12028.05,3863.94 h60
  text "78" at 343.38,3713.94 h60
  text "35.43mil (0.900mm)" at 943.22,3713.94 h60
  text "PTH" at 2042.9,3713.94 h60
  text "Round" at 2548.77,3713.94 h60
  text "Top Layer - Bottom Layer" at 3282.57,3713.94 h60
  text "Pad" at 4782.13,3713.94 h60
  text "(Mixed)" at 5371.97,3713.94 h60
  text "(Mixed)" at 6117.77,3713.94 h60
  text "-" at 10908.38,3713.94 h60
  text "-" at 12028.05,3713.94 h60
  text "494" at 343.38,3563.94 h60
  text "12.00mil (0.305mm)" at 943.22,3563.94 h60
  text "PTH" at 2042.9,3563.94 h60
  text "Round" at 2548.77,3563.94 h60
  text "Top Layer - Bottom Layer" at 3282.57,3563.94 h60
  text "Via" at 4782.13,3563.94 h60
  text "Rounded" at 5371.97,3563.94 h60
  text "v46h30m0mx0" at 6117.77,3563.94 h60
  text "-" at 10908.38,3563.94 h60
  text "-" at 12028.05,3563.94 h60
  text "666 Total" at 343.38,3413.94 h60
  text "Slot definitions :" at -162.5,3268.97 h60
  text "Routed Path Length" at 870.19,3268.97 h60
  text "= Calculated from tool start centre position to tool end centre position." at 1972.86,3268.97 h60
  text "Hole Length" at 870.19,3168.99 h60
  text "= Routed Path Length + Tool Size = Slot length as defined in the PCB layout" at 1562.99,3168.99 h60

## Text inside footprints (layer, text, board x,y; h text height)
J1: Top Overlay "GND" at 555,169.96 h39.37 r90; Top Overlay "ID" at 514.56,169.96 h39.37 r90; Top Overlay "D+" at 474.56,169.96 h39.37 r90; Top Overlay "D-" at 434.56,169.96 h39.37 r90; Top Overlay "VCC" at 395,170 h39.37 r90